# KiCad board laserwolf.kicad_pcb
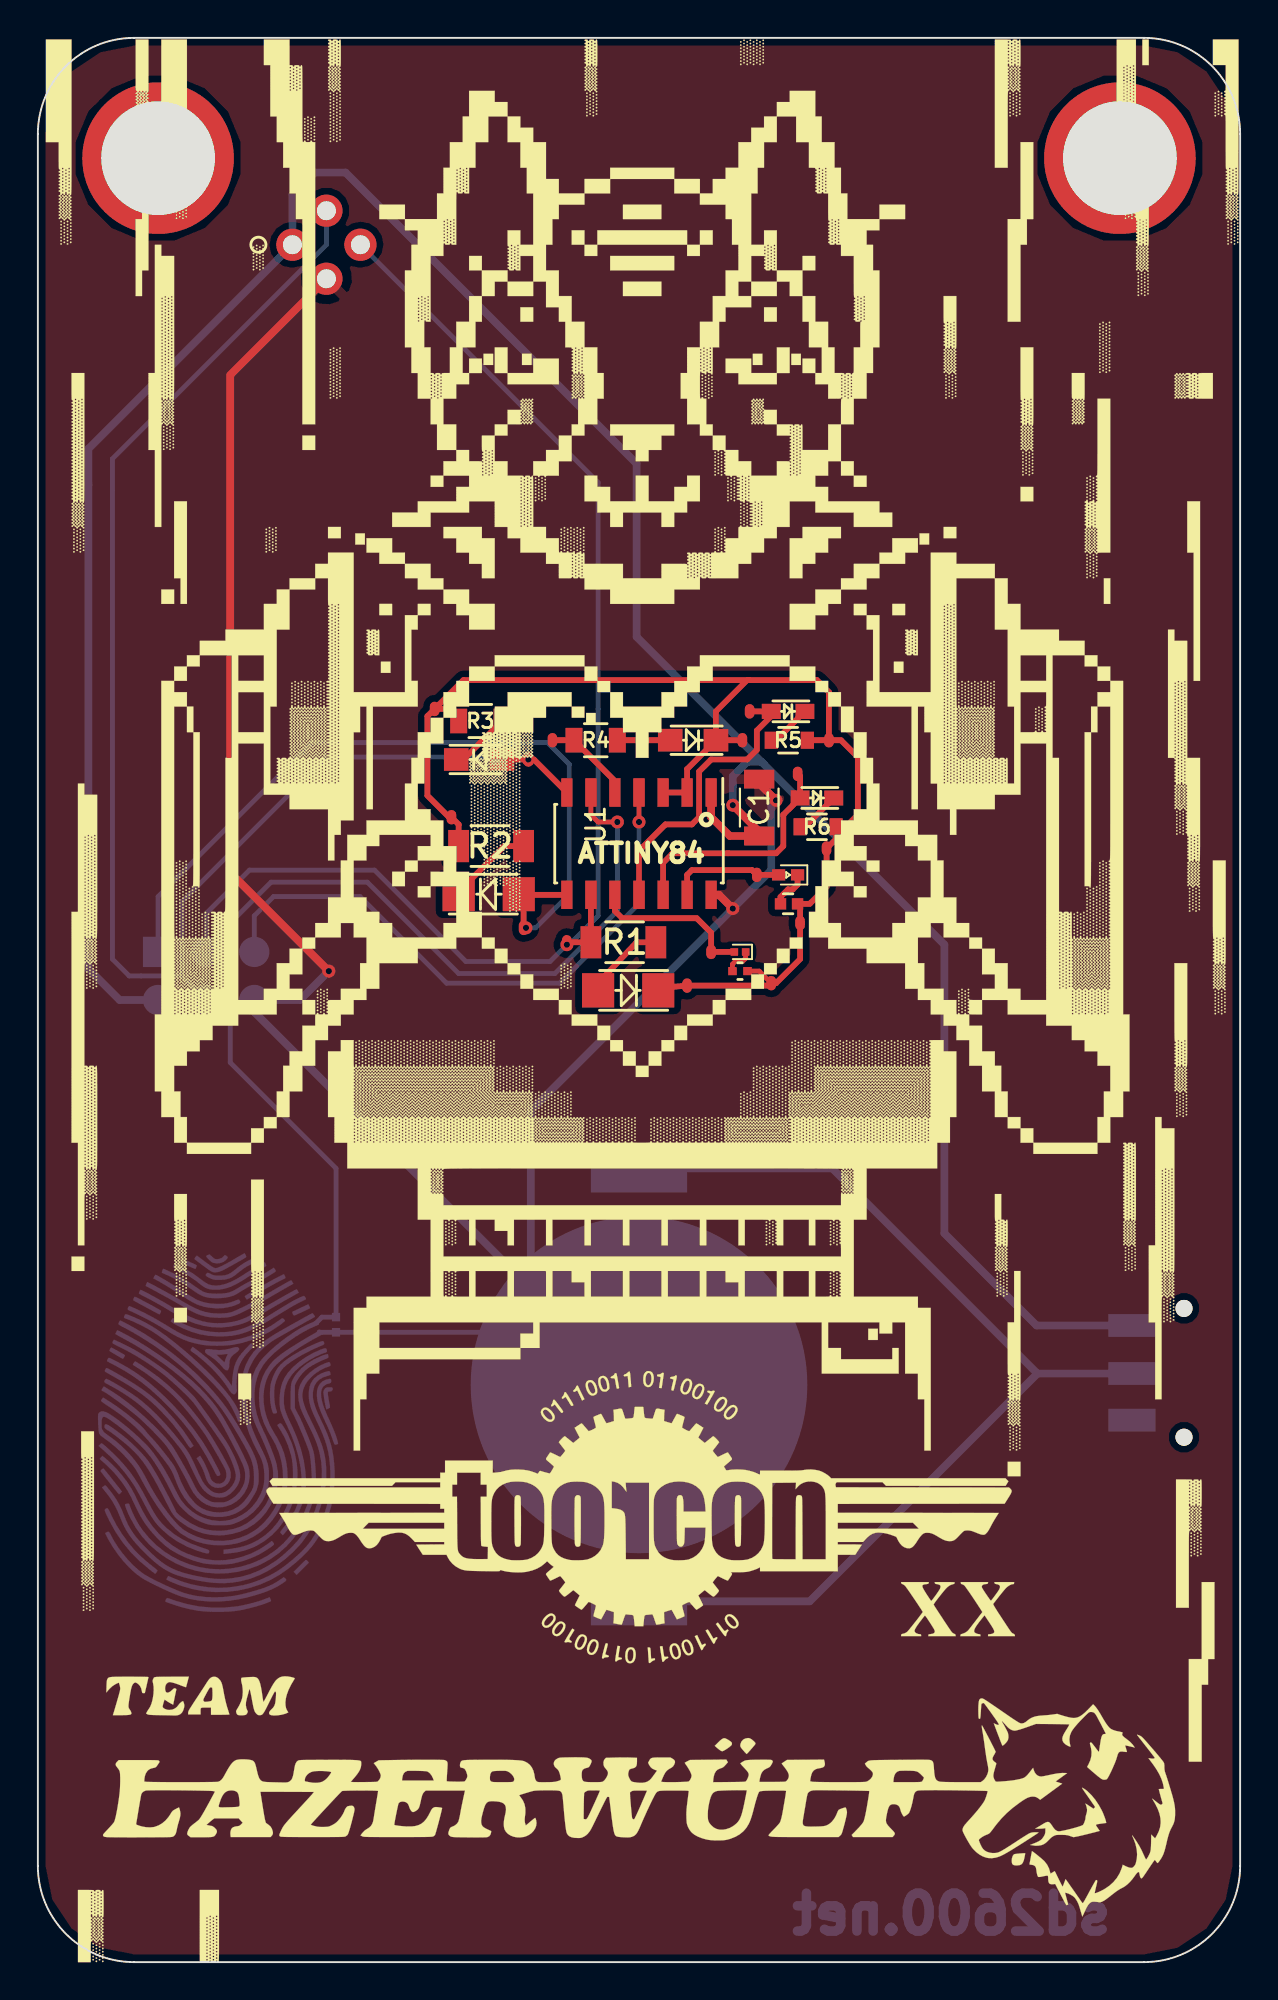
[diagram p0: board, top side]
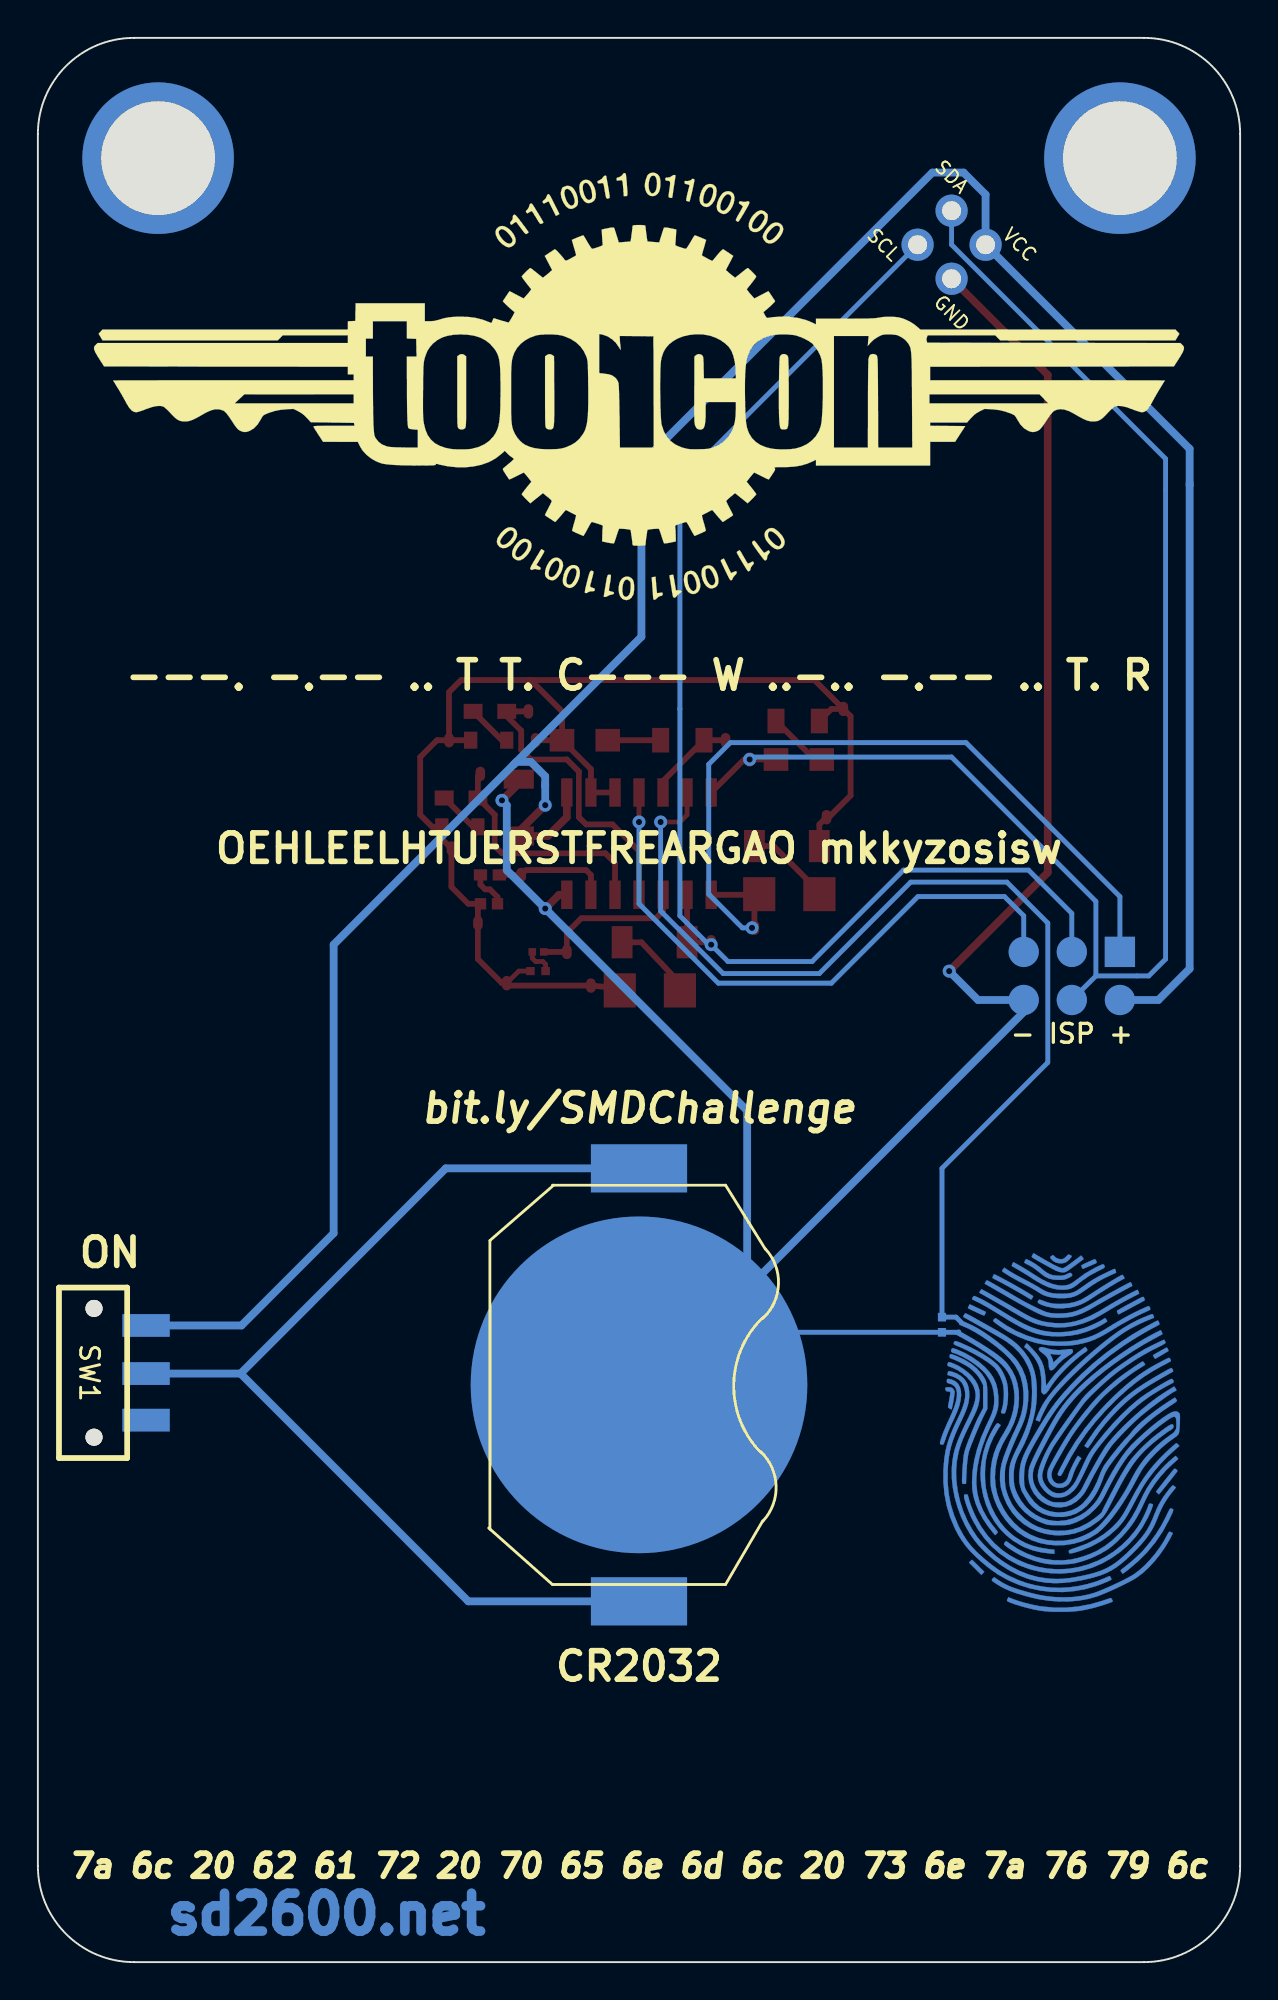
[diagram p1: board, bottom side, seen from below]

Outline 63.5 x 101.6 mm; copper layers: Top, Bottom. Coordinates in mm from the lower left corner of the outline.
Outline path: 0,96.52 arc(1.49,100.11) 5.08,101.6 58.42,101.6 arc(62.01,100.11) 63.5,96.52 63.5,5.08 arc(62.01,1.49) 58.42,0 5.08,0 arc(1.49,1.49) 0,5.08 0,96.52

## Placement (name value [footprint] x y rotation side)
BT1  Battery  [BATT_CR2032_SMD]  31.75 30.48 90 bottom
C1  0.1 uF  [C_1206]  38.1 60.96 90 top
CON1  -  [AVR-ISP-6]  6.35 53.34 270 bottom
D1  LED  [LED-1206]  31.12 51.31 180 top
D2  LED  [LED-1206]  23.88 56.39 0 top
D3  LED  [LED-0805]  23.37 63.5 0 top
D4  LED  [LED-0805]  34.54 64.52 180 top
D5  LED  [LED-0603]  39.62 66.04 180 top
D6  LED  [LED-0603]  41.15 61.47 180 top
D7  LED  [LED_0402]  39.62 57.4 180 top
D8  LED  [LED_0201]  37.08 53.34 180 top
G***  LOGO  [toor-logo_laserwolf]  31.75 50.8 0 top
G***#2  LOGO  [toor_logo]  31.75 83.19 180 bottom
G***#3  LOGO  [fingerprint]  9.53 27.94 0 bottom
P0  CONN_01X01  [Pin_Header_Straight_1x01]  6.35 95.25 0 top
P1  CONN_01X01  [Pin_Header_Straight_1x01]  57.15 95.25 0 top
P2  CONN_01X01  [testPad]  27.94 53.85 0 top
P3  CONN_01X01  [testPad]  25.65 54.61 0 top
P4  CONN_01X01  [testPad]  25.91 63.5 0 top
P5  CONN_01X01  [testPad]  27.18 64.52 0 top
P6  CONN_01X01  [testPad]  37.59 66.04 0 top
P7  CONN_01X01  [testPad]  40.13 62.74 0 top
P8  CONN_01X01  [testPad]  37.97 57.4 0 top
P9  CONN_01X01  [testPad]  35.56 53.34 0 top
PG1  CONN_01X01  [testPad]  21.84 60.45 0 top
PG2  CONN_01X01  [testPad]  20.95 66.17 0 top
PG3  CONN_01X01  [testPad]  37.21 64.52 0 top
PG4  CONN_01X01  [testPad]  34.29 51.56 0 top
PG5  CONN_01X01  [testPad]  41.78 64.52 0 top
PG6  CONN_01X01  [testPad]  41.66 58.8 0 top
PG7  CONN_01X01  [testPad]  40.26 54.86 0 top
PG8  CONN_01X01  [testPad]  38.74 51.69 0 top
R1  100  [R_1206]  30.99 53.85 0 top
R2  100  [R_1206]  23.88 58.93 180 top
R3  100  [R_0805]  23.37 65.53 180 top
R4  100  [R_0805]  29.46 64.52 0 top
R5  100  [R_0603]  39.62 64.52 0 top
R6  100  [R_0603]  41.15 59.94 0 top
R7  100  [R_0402]  39.62 55.88 0 top
R8  100  [R_0201]  37.08 52.32 0 top
SW1  SW_SPDT  [SPST_SMD]  57.78 31.12 270 bottom
SW2  Fingerprint  [R_0201]  15.75 33.66 270 bottom
U1  ATTINY84A-SSU  [SOIC-14_3.9x8.7mm_Pitch1.27mm]  31.75 59.06 270 top
X1  Badgelife_shitty_connector  [Badgelife-Shitty-2x2]  15.24 90.68 45 top

## Footprints (pads in the part's own frame, mm; a bottom-side part is the same pattern mirrored in y, then rotated)
AVR-ISP-6
  rect 1.6x1.6 smd: 1(0,0)
  round 1.6 smd: 2(2.54,0)
  oval 1.6x1.6 smd: 3(0,-2.54) 4(2.54,-2.54) 5(0,-5.08) 6(2.54,-5.08)
Badgelife-Shitty-2x2
  oval 1.7x1.7 hole 1: 1(-1.27,1.27) 2(-1.27,-1.27) 3(1.27,-1.27)
  round 1.7 hole 1: 4(1.27,1.27)
BATT_CR2032_SMD
  rect 2.54x5.08 smd: 1(-11.43,0) 1(11.43,0)
  round 17.78 smd: 2(0,0)
C_1206
  rect 1x1.6 smd: 1(-1.5,0) 2(1.5,0)
LED-0603
  rect 1x0.798 smd: 1(-0.889,0) 2(0.889,0)
LED-0805
  rect 1.3x1.199 smd: 1(-1.27,0) 2(1.143,0)
LED-1206
  rect 1.7x1.801 smd: 1(-1.651,0) 2(1.524,0)
LED_0201
  rect 0.4x0.4 smd: 1(-0.3,0) 2(0.3,0)
LED_0402
  rect 0.7x0.6 smd: 1(-0.5,0) 2(0.5,0)
Pin_Header_Straight_1x01
  round 8 hole 6: 1(0,0)
R_0201
  rect 0.45x0.43 smd: 1(-0.4,0) 2(0.4,0)
R_0402
  rect 0.6x0.6 smd: 1(-0.4,0) 2(0.5,0)
R_0603
  rect 0.7x0.9 smd: 1(-0.889,0) 2(1.016,0)
R_0805
  rect 0.9x1.3 smd: 1(-1.143,0) 2(1.143,0)
R_1206
  rect 1.1x1.7 smd: 1(-1.778,0) 2(1.651,0)
SOIC-14_3.9x8.7mm_Pitch1.27mm
  rect 1.5x0.6 smd: 1(-2.7,3.81) 2(-2.7,2.54) 3(-2.7,1.27) 4(-2.7,0) 5(-2.7,-1.27) 6(-2.7,-2.54) 7(-2.7,-3.81) 8(2.7,-3.81) 9(2.7,-2.54) 10(2.7,-1.27) 11(2.7,0) 12(2.7,1.27) 13(2.7,2.54) 14(2.7,3.81)
SPST_SMD
  round 0.9 hole 0.9 unplated: (-3.4,-2.75) (3.4,-2.75)
  rect 1.2x2.5 smd: 1(0.04,0) 2(2.5,0) 3(-2.5,0)
testPad
  oval 0.508x0.762 smd: 1(0,0)

## Nets
GND: BT1.2 C1.2 CON1.6 SW2.2 U1.14 X1.2
+BATT: C1.1 CON1.2 SW1.3 U1.1 X1.1
/MISO: CON1.1 D2.2 P3.1 U1.8
/MOSI: CON1.4 D3.2 P4.1 U1.7 X1.4
/RESET: CON1.5 U1.4
/SCK: CON1.3 P2.1 R1.1 U1.9 X1.3
Net-(BT1-Pad1): BT1.1 SW1.1
Net-(D1-Pad1): D1.1 D4.1 PG1.1 PG2.1 PG3.1 PG4.1 PG5.1 PG6.1 PG7.1 PG8.1 R2.2 R3.2 R5.2 R6.2 R7.2 R8.2 U1.2 U1.3
Net-(D1-Pad2): D1.2 R1.2
Net-(D2-Pad1): D2.1 R2.1
Net-(D3-Pad1): D3.1 R3.1
Net-(D4-Pad2): D4.2 R4.2
Net-(D5-Pad1): D5.1 R5.1
Net-(D5-Pad2): D5.2 P6.1 U1.11
Net-(D6-Pad1): D6.1 R6.1
Net-(D6-Pad2): D6.2 P7.1 U1.12
Net-(D7-Pad1): D7.1 R7.1
Net-(D7-Pad2): D7.2 P8.1 U1.13
Net-(D8-Pad1): D8.1 R8.1
Net-(D8-Pad2): D8.2 P9.1 U1.10
Net-(P0-Pad1): P0.1
Net-(P1-Pad1): P1.1
Net-(P5-Pad1): P5.1 R4.1 U1.5
Net-(SW1-Pad2): SW1.2
Net-(SW2-Pad1): SW2.1 U1.6

## Via types
v1: diameter 0.686, hole 0.33, Top to Bottom, 9 vias

## Routing (per net, layer and track width the routed paths; a pad name or vN(x,y) marks a point on that pad's centre or on a via; arc(x,y) is an arc through that point)
GND: length 134.1
  Top w0.406: v1(36.7,55.63) 35.97,56.36 U1.14 ; v1(38.99,61.34) 38.1,62.23 C1.2 ; v1(15.37,52.32) 10.16,57.53 10.16,83.8 X1.2
  Bottom w0.254: 14.86,33.27 14.88,33.25 SW2.2 28.98,33.25 BT1.2
  Bottom w0.406: v1(38.99,61.34) 38.74,61.09 38.74,57.66 v1(36.7,55.63) 26.03,44.96 26.03,36.2 BT1.2 31.12,30.48 11.43,50.17 CON1.6 13.84,50.8 v1(15.37,52.32)
+BATT: length 144.3
  Top w0.406: v1(36.7,61.09) 38.1,59.69 C1.1 36.55,59.46 35.56,60.45 U1.1
  Bottom w0.406: 2.67,78.11 2.67,77.98 ; 2.67,77.98 2.67,52.45 4.32,50.8 CON1.2 ; 2.67,77.98 2.67,79.9 X1.1 13.44,93.33 14.61,94.49 16.26,94.49 31.62,79.12 31.62,69.98 38.35,63.25 ; SW1.3 52.75,33.62 47.88,38.48 47.88,53.72 38.35,63.25 ; 36.7,62.1 36.7,62.23 ; 36.7,62.1 v1(36.7,61.09) ; 36.7,62.1 36.7,62.61 37.47,63.37 38.23,63.37 38.35,63.25
/MISO: length 42.9
  Top w0.254: v1(25.78,54.61) P3.1
  Top w0.305: P3.1 25.65,56.13 D2.2 25.43,56.36 U1.8
  Bottom w0.254: v1(25.78,54.61) 26.29,54.61 28.07,56.39 28.07,63.25 26.92,64.39 14.48,64.39 6.35,56.26 CON1.1
/MOSI: length 79.6
  Top w0.305: U1.7 26.2,63.5 v1(25.91,63.5) D3.2
  Bottom w0.254: v1(25.91,63.5) 25.78,63.63 15.24,63.63 7.62,56.01 7.62,52.07 ; 7.62,52.07 CON1.4 ; 7.62,52.07 4.83,52.07 3.94,52.96 3.94,79.38 15.24,90.68 X1.4
/RESET: length 32.2
  Top w0.254: v1(31.75,60.2) U1.4
  Bottom w0.254: v1(31.75,60.2) 31.75,55.88 27.56,51.69 21.59,51.69 17.02,56.26 12.45,56.26 11.43,55.25 CON1.5
/SCK: length 71.2
  Top w0.254: v1(27.94,53.72) P2.1
  Top w0.305: U1.9 R1.1 P2.1
  Bottom w0.254: 29.59,66.17 29.59,55.25 28.07,53.72 v1(27.94,53.72) 27.05,52.83 22.61,52.83 17.78,57.66 11.18,57.66 8.89,55.37 CON1.3 ; 29.59,66.17 29.59,66.19 ; 29.59,66.17 29.59,78.12 X1.3
Net-(BT1-Pad1): length 56.5
  Bottom w0.406: 52.79,31.08 40.77,19.05 BT1.1 ; 52.79,31.08 41.96,41.91 BT1.1 ; 52.79,31.08 SW1.1
Net-(D1-Pad1): length 69.4
  Top w0.254: PG8.1 38.1,52.32 R8.2
  Top w0.305: D1.1 32.89,51.44 PG4.1 38.61,51.56 PG8.1 38.99,51.69 40.26,52.96 PG7.1 40.26,55.75 R7.2 40.77,55.88 41.66,56.77 PG6.1 42.16,59.31 R6.2 42.67,59.94 43.31,60.58 43.31,63.63 42.42,64.52 PG5.1 ; D4.1 34.29,62.99 U1.2 U1.3 ; D4.1 PG3.1 ; D4.1 35.81,66.04 37.47,67.69 37.59,67.69 ; 37.59,67.69 41.15,67.69 41.78,67.06 PG5.1 ; 37.59,67.69 22.48,67.69 PG2.1 ; PG5.1 R5.2 ; PG2.1 20.57,65.79 20.57,61.6 21.72,60.45 PG1.1 22.23,60.07 R2.2 ; PG2.1 21.59,66.17 R3.2
Net-(D1-Pad2): length 4.4
  Top w0.305: R1.2 31.62,53.85 29.59,51.69 D1.2
Net-(D2-Pad1): length 4.6
  Top w0.305: R2.1 24.64,58.93 22.23,56.52 D2.1
Net-(D3-Pad1): length 3.3
  Top w0.305: R3.1 22.48,63.5 D3.1
Net-(D4-Pad2): length 2.8
  Top w0.305: R4.2 D4.2
Net-(D5-Pad1): length 2.4
  Top w0.305: D5.1 38.99,64.52 38.74,64.52
Net-(D5-Pad2): length 15.7
  Top w0.305: U1.11 31.75,58.67 33.15,60.07 34.54,60.07 34.92,60.45 34.92,62.87 35.56,63.5 37.47,63.5 37.97,64.01 37.97,65.02 38.74,65.79 38.74,66.04 P6.1
Net-(D6-Pad1): length 2.4
  Top w0.305: D6.1 40.51,59.94 40.26,59.94
Net-(D6-Pad2): length 12.6
  Top w0.305: P7.1 40.26,62.61 40.26,61.47 39.37,60.58 39.37,58.93 38.99,58.55 33.53,58.55 33.02,58.04 U1.12
Net-(D7-Pad1): length 2
  Top w0.305: D7.1 40.12,56.89 39.88,56.64 39.62,56.64 39.22,56.24 R7.1
Net-(D7-Pad2): length 6.1
  Top w0.305: U1.13 34.29,57.4 34.54,57.66 37.72,57.66 P8.1 D7.2
Net-(D8-Pad1): length 1.5
  Top w0.254: R8.1 36.68,52.69 36.83,52.83 37.21,52.83 37.38,53.01 D8.1
Net-(D8-Pad2): length 8.6
  Top w0.305: U1.10 30.48,55.5 30.86,55.12 34.8,55.12 35.56,54.36 P9.1 D8.2
Net-(P5-Pad1): length 4.8
  Top w0.305: U1.5 30.48,62.36 R4.1 P5.1
Net-(SW2-Pad1): length 56.4
  Top w0.254: v1(30.61,60.2) 29.59,60.2 29.21,60.58 U1.6
  Bottom w0.254: 14.73,33.78 15,34.06 SW2.1 15.75,41.91 10.16,47.5 10.16,54.86 12.32,57.02 17.4,57.02 22.23,52.2 27.31,52.2 30.61,55.5 v1(30.61,60.2)

## Copper pours and planes (outline as drawn; the poured copper is in the pictures)
GND on Top: 68.58,104.14 68.58,-2.54 -5.08,-2.54 -5.08,104.14

## Text on the board
Bottom: sd2600.net
B.SilkS: - ISP + | 7a 6c 20 62 61 72 20 70 65 6e 6d 6c 20 73 6e 7a 76 79 6c | ---. -.-- .. T T. C--- W ..-.. -.-- .. T. R | OEHLEELHTUERSTFREARGAO mkkyzosisw | CR2032 | ON | bit.ly/SMDChallenge
F.SilkS: ATTINY84
